# Altium PCB PCB.PcbDoc (part 1 of 2)
Units mm, origin at the board's own origin, x right, y up, seen from the top; angles counter-clockwise.
Board outline 126.4 x 80.11 mm, 6 copper layers (Top Layer, GND-1, Signal-1, Power Plane, GND-2, Bottom Layer), stack 1.38 mm thick; 110 components, 85 nets, 374 pads, 490 vias.
Unrouted connection lines stored in the file: 21.
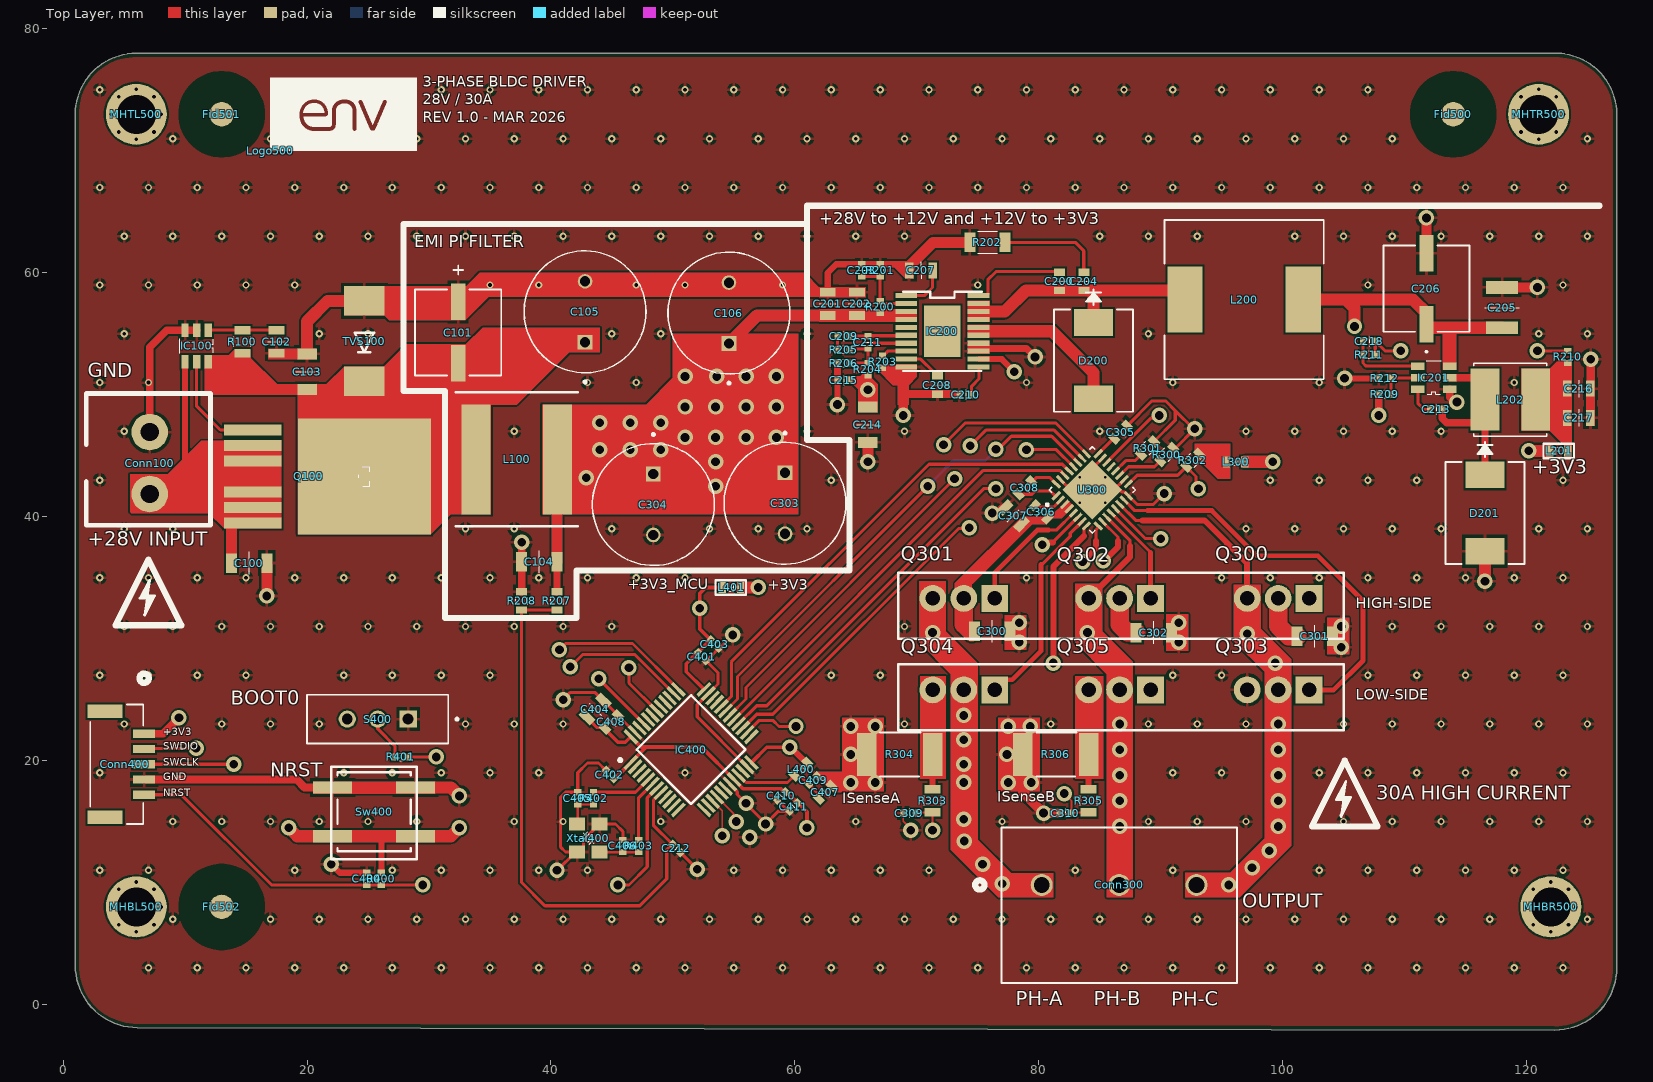
[diagram p0: Top Layer view]
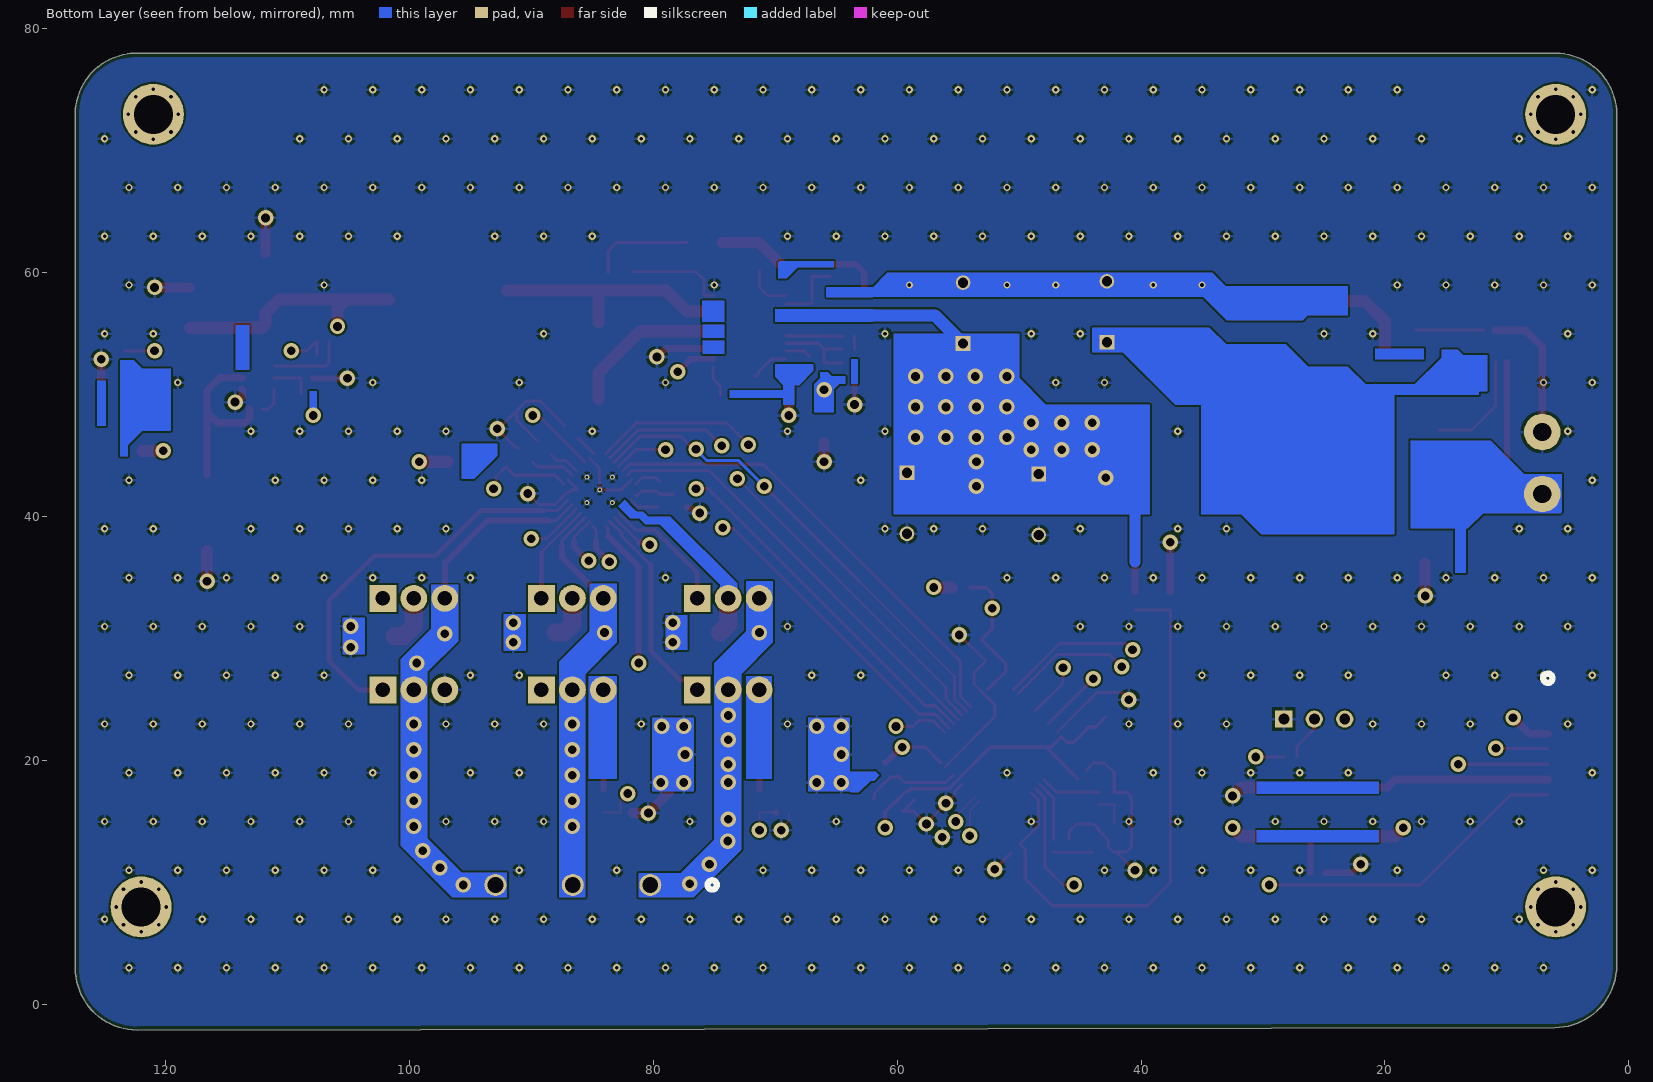
[diagram p1: Bottom Layer view, seen from below]
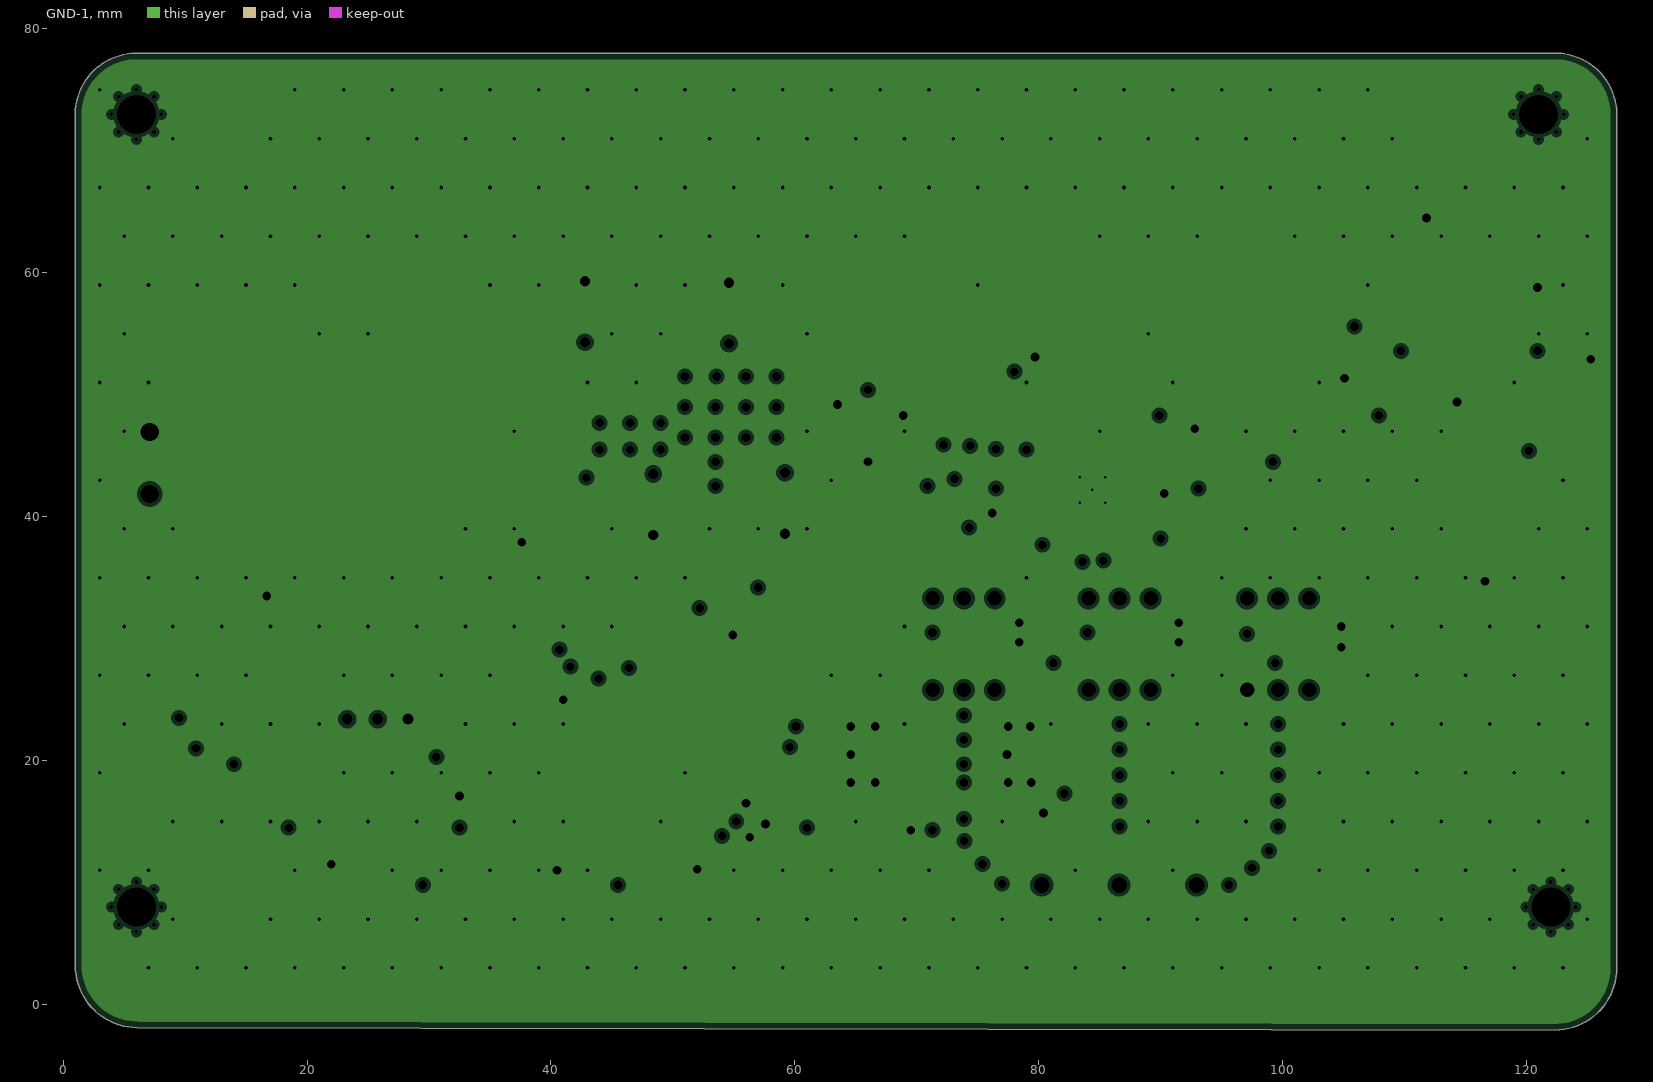
[diagram p2: GND-1, clearances drawn from the general rule]
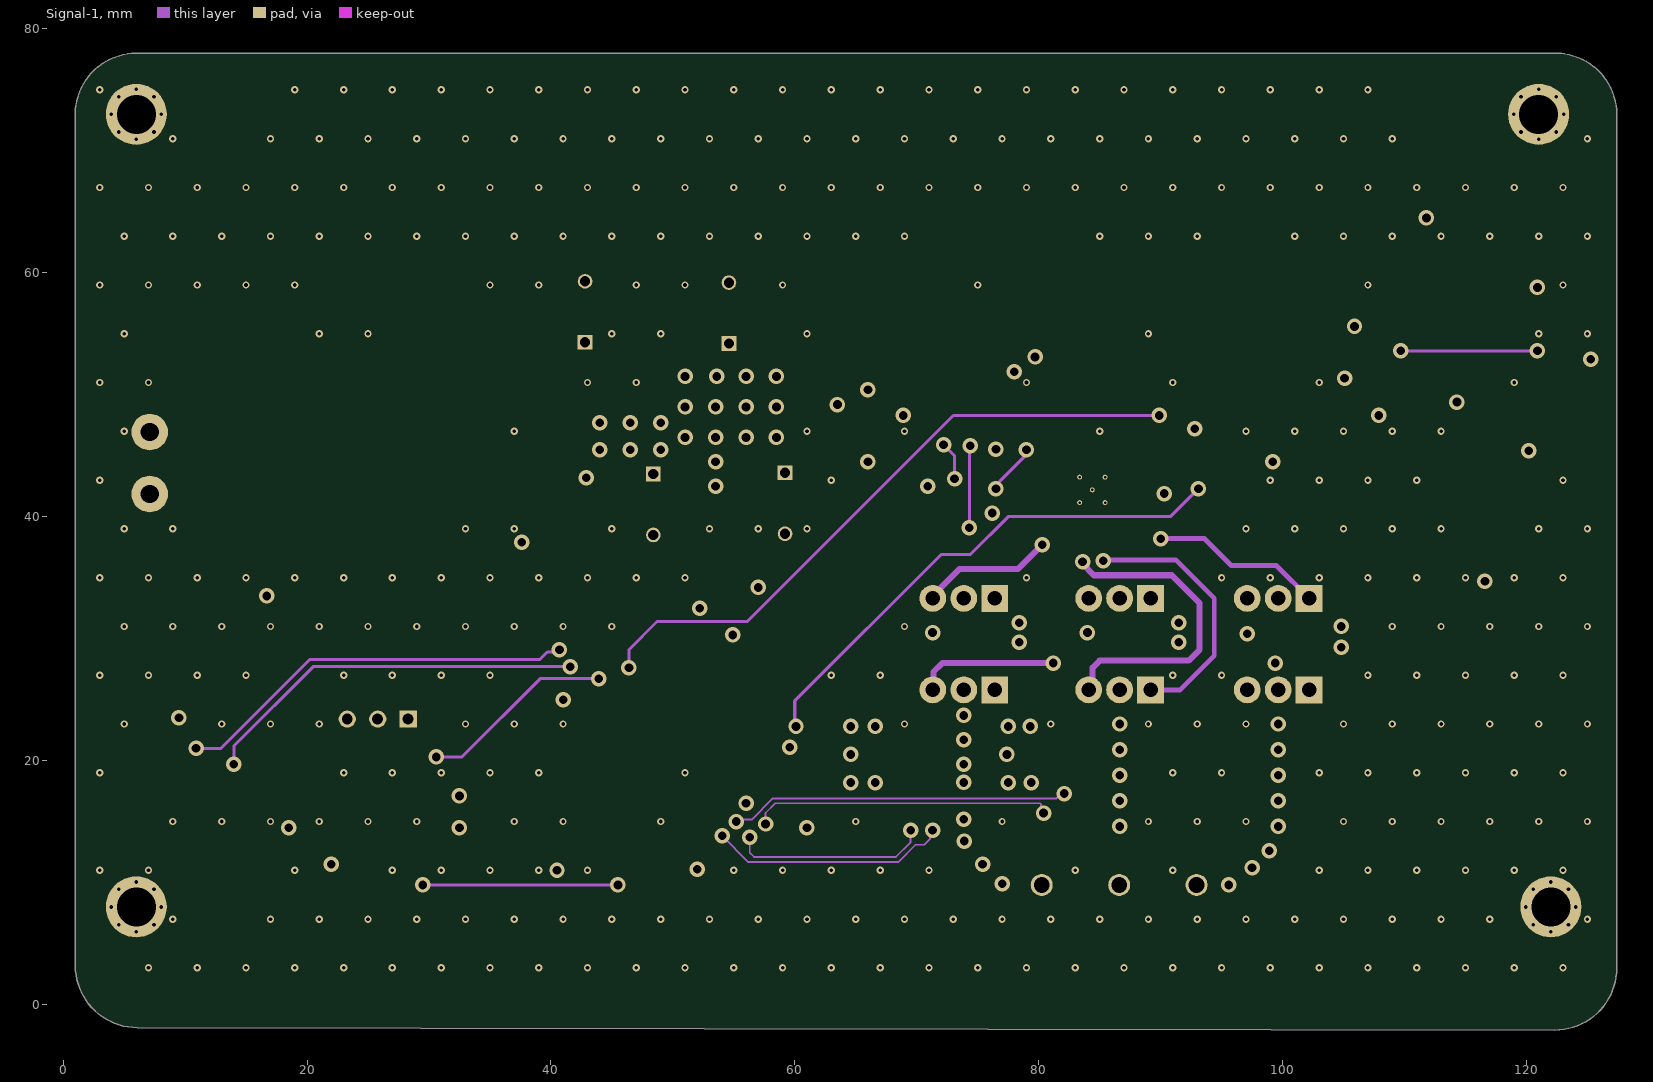
[diagram p3: Signal-1]
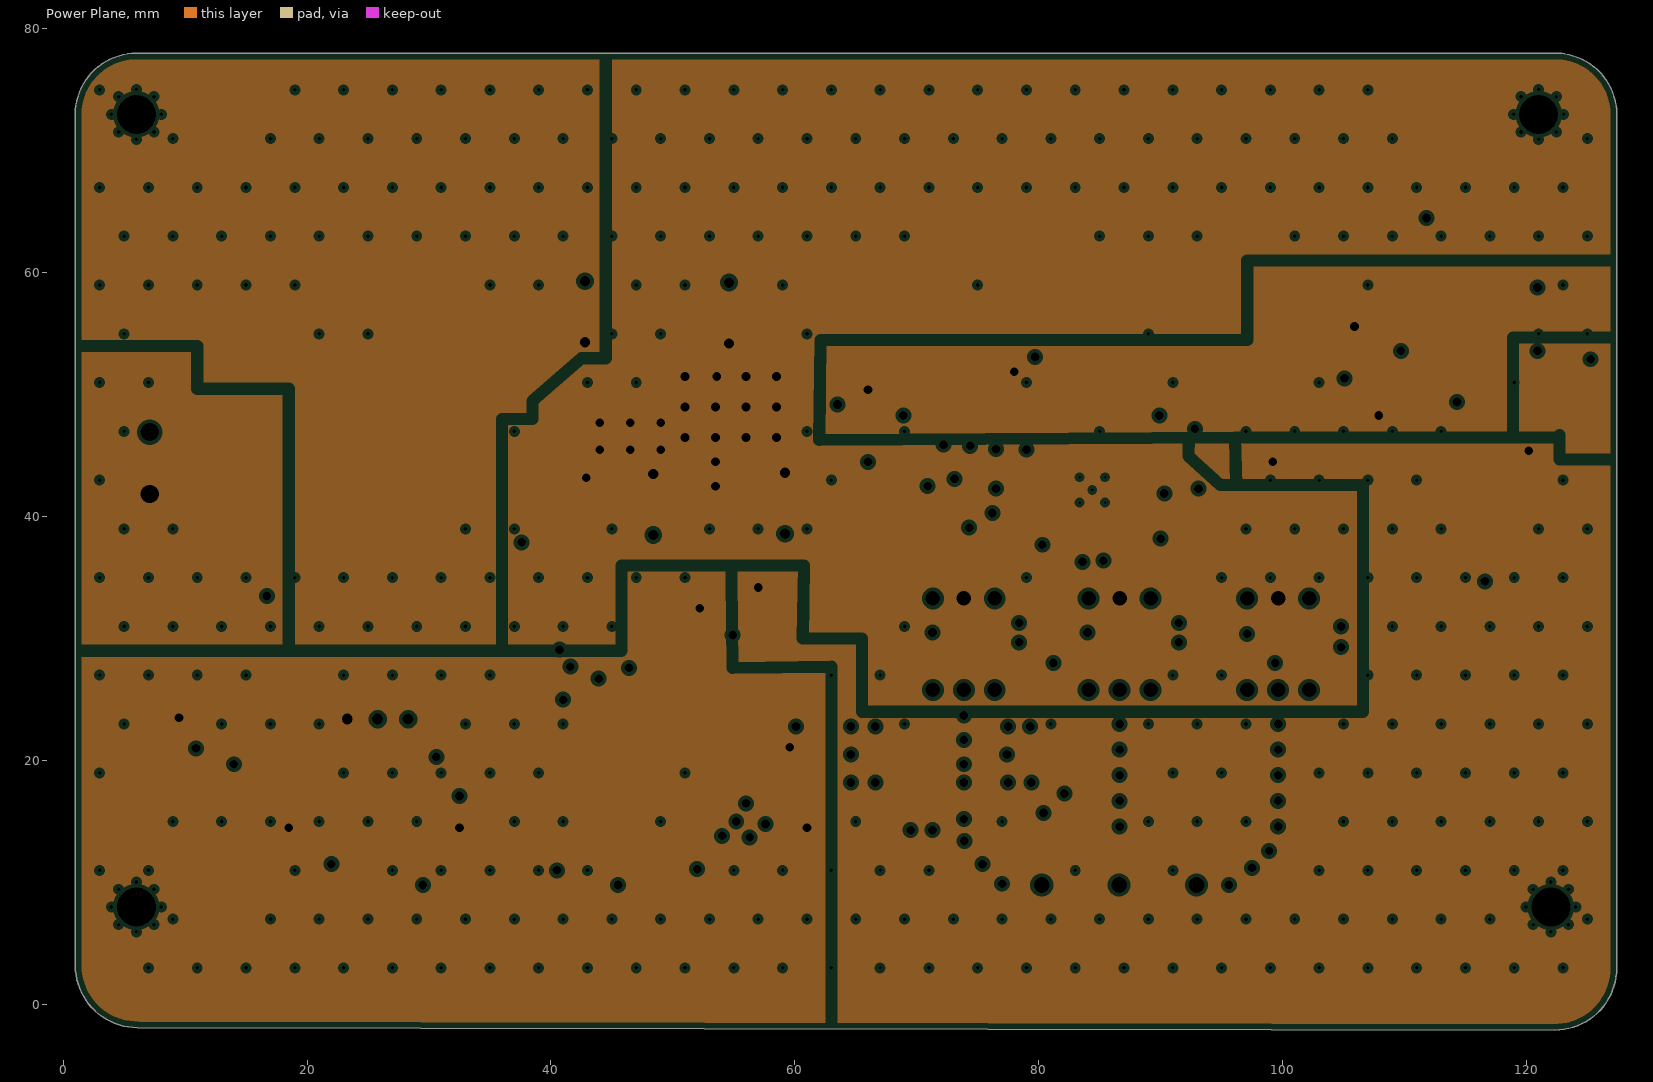
[diagram p4: Power Plane, clearances drawn from the general rule]
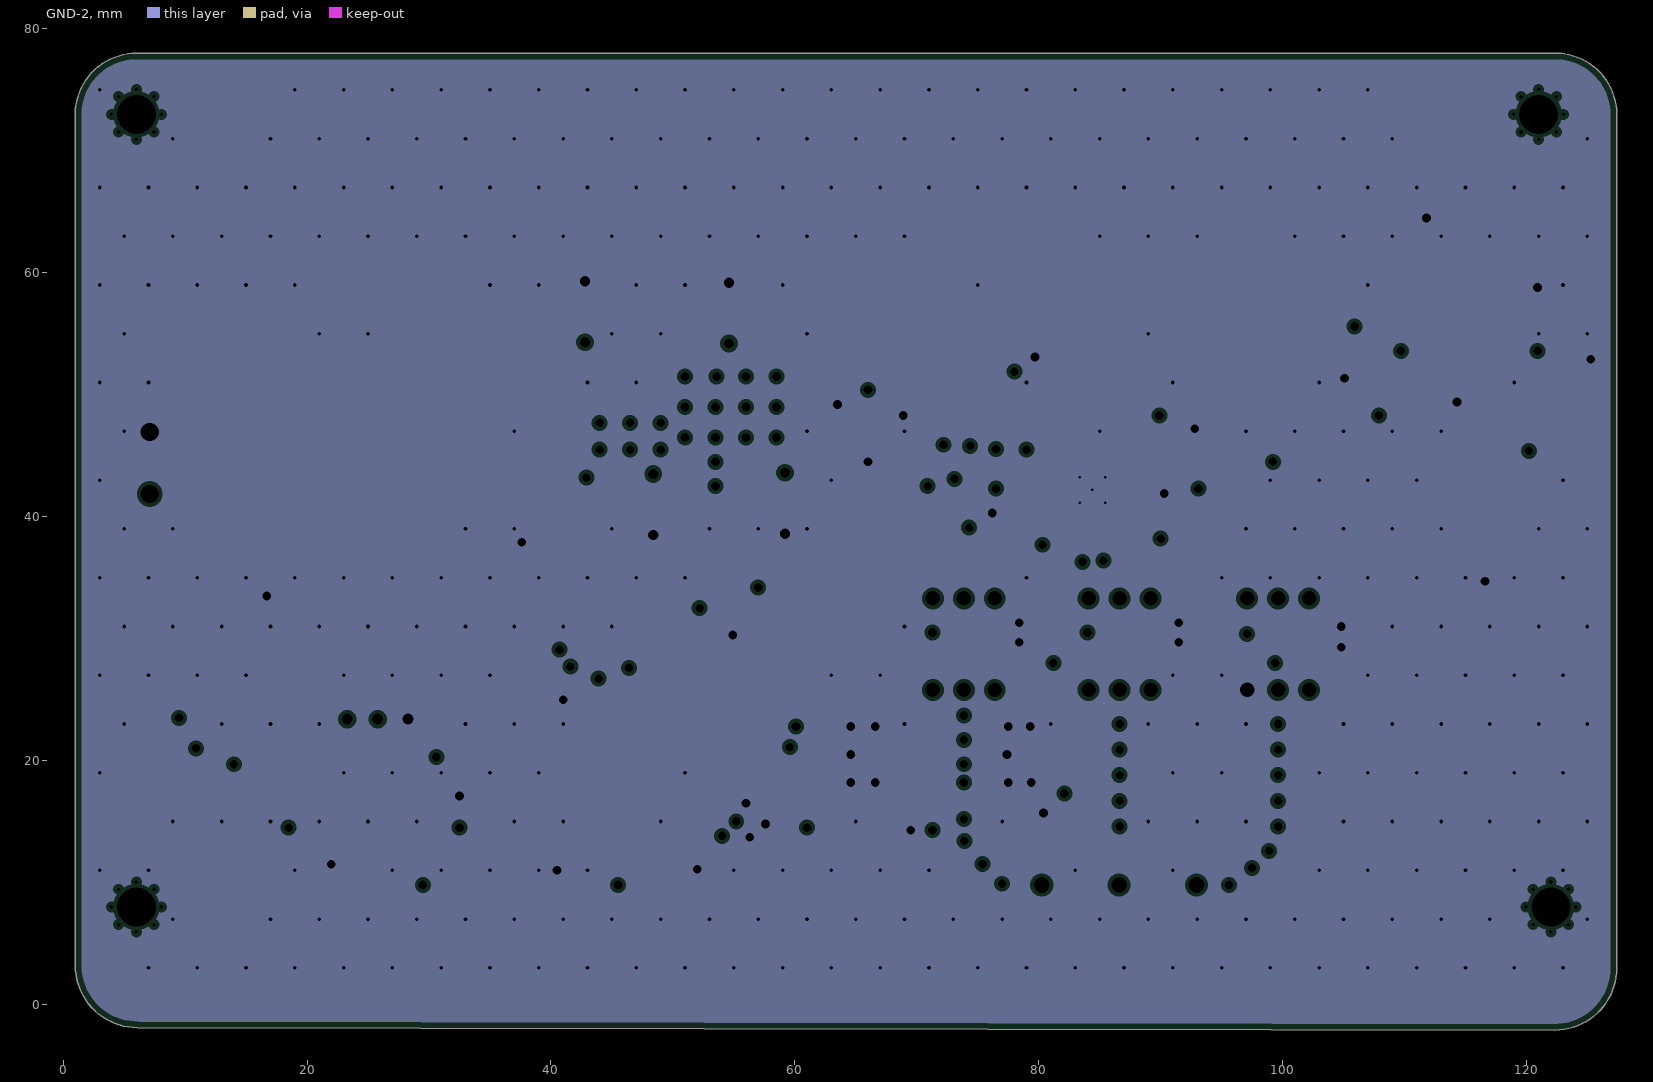
[diagram p5: GND-2, clearances drawn from the general rule]
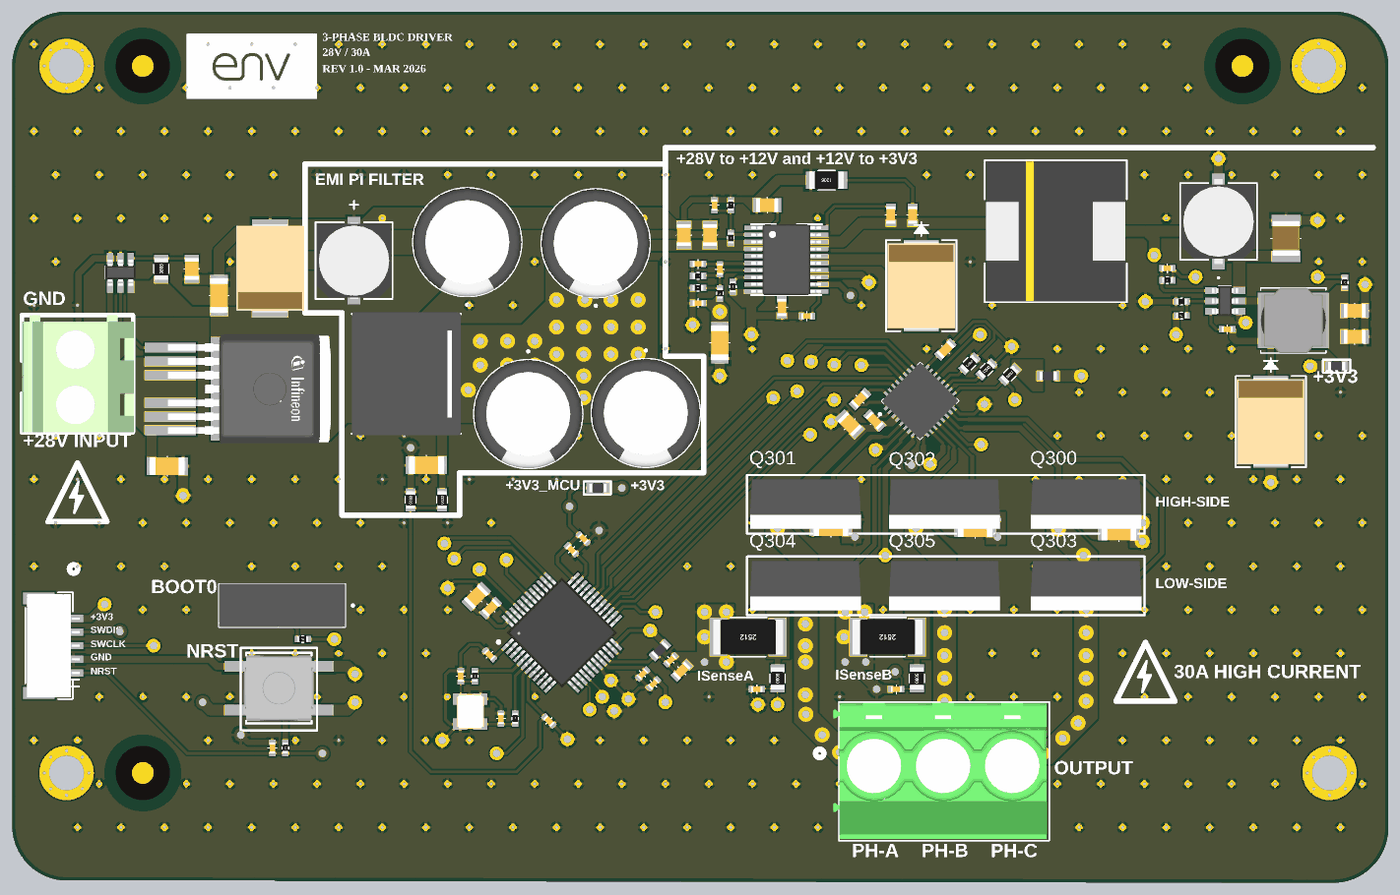
[diagram p7: 3D render of the assembled board from above, using the file's embedded part models]

## Layer stack, top to bottom
Top Solder: solder mask 0.01, Solder Resist, Dk 3.5
Top Layer: signal copper 0.07
Dielectric 2: prepreg 0.1, PP-006, Dk 4.1
GND-1: plane copper 0.035, net GND
Dielectric 4: core 0.3, PP-006, Dk 4.1
Signal-1: signal copper 0.035
Dielectric 1: dielectric 0.3, FR-4, Dk 4.8
Power Plane: plane copper 0.035, net (Multiple Nets)
Dielectric 5: core 0.3, PP-006, Dk 4.1
GND-2: plane copper 0.035, net GND
Dielectric 3: prepreg 0.1, PP-006, Dk 4.1
Bottom Layer: signal copper 0.07
Bottom Solder: solder mask 0.01, Solder Resist, Dk 3.5

## Board outline
1.001,3.187 1,73 cw(c6,73) 6,78 122.9,78 122.4,78 cw(c122.4,73) 127.4,73 127.4,2.969 cw(c122.334,2.969) 122.334,-2.096 122.334,-2.108 6.083,-1.896 cw(c6.083,3.187)

## Design rules (kind name [scope] priority, off if disabled: settings)
BoardOutlineClearance [All] p1: gap=0.3 ignorepadtopadclearanceinfootprint=FALSE
Clearance "High Voltage Clearance" [InNetClass('HV_PWR')] p1: gap=0.15 ignorepadtopadclearanceinfootprint=FALSE
Clearance [All] p2: gap=0.15 ignorepadtopadclearanceinfootprint=FALSE
HoleSize NonViaHoleSize [Not IsVia] p1: absolutevalues=TRUE maxlimit=5 minlimit=0 maxpercent=80.000 minpercent=20.000
HoleSize ViaHoleSize [IsVia] p2: absolutevalues=TRUE maxlimit=5 minlimit=0.3 maxpercent=80.000 minpercent=20.000
HoleToHoleClearance [All] p1: gap=0.2 allowstackedmicrovias=TRUE
MinimumAnnularRing [All] p1: minimumring=0.05
MinimumSolderMaskSliver [All] p1: minsoldermaskwidth=0
PlaneClearance [All] p1: clearance=0.3
PlaneConnect PlaneConnect_POWER [InNetClass('HV_PWR') OR InNetClass('LV_PWR')] p1: planeconnectstyle=Direct reliefexpansion=0.508 reliefentries=4 reliefconductorwidth=0.254 reliefairgap=0.254
PlaneConnect [All] p2: planeconnectstyle=Relief reliefexpansion=0.508 reliefentries=4 reliefconductorwidth=0.254 reliefairgap=0.254
PolygonConnect PolygonConnect_POWER [InNetClass('HV_PWR') OR InNetClass('LV_PWR')] p1: connectstyle=Direct reliefconductorwidth=0.254 reliefentries=4 polygonreliefangle="90 Angle" airgapwidth=0.254
PolygonConnect [All] p2: connectstyle=Relief reliefconductorwidth=0.254 reliefentries=4 polygonreliefangle="90 Angle" airgapwidth=0.254
RoutingVias Via_POWER [InNetClass('HV_PWR') OR InNetClass('LV_PWR')] p1: holewidth=0.4 width=0.8 viastyle="Through Hole" minholewidth=0.3 minwidth=0.6 maxholewidth=0.8 maxwidth=1.5
RoutingVias [All] p2: holewidth=0.3 width=0.6 viastyle="Through Hole" minholewidth=0.2 minwidth=0.5 maxholewidth=0.6 maxwidth=1
SilkToSilkClearance [All] p1: silktosilkclearance=0.05
SilkToSolderMaskClearance [IsPad] p1: minsilkscreentomaskgap=0 clearancetoexposedcopper=TRUE
SolderMaskExpansion [All] p1: expansion=0.05 istentingtop=FALSE
SupplyNets "Schematic Supply Nets_10" [InNet('VBUS')] p1: voltage=0.000
SupplyNets "Schematic Supply Nets_9" [InNet('+3V3')] p2: voltage=0.000
SupplyNets "Schematic Supply Nets_8" [InNet('+3V3_INV_IN')] p3: voltage=0.000
SupplyNets "Schematic Supply Nets_7" [InNet('VIN_+28V')] p4: voltage=0.000
SupplyNets "Schematic Supply Nets_5" [InNet('V_SYS_+28V')] p5: voltage=0.000
SupplyNets "Schematic Supply Nets_4" [InNet('+12V')] p6: voltage=0.000
SupplyNets "Schematic Supply Nets_3" [InNet('+3V3_MCU_IN')] p7: voltage=0.000
SupplyNets "Schematic Supply Nets_2" [InNet('+28V_FILT')] p8: voltage=0.000
SupplyNets "Schematic Supply Nets_1" [InNet('+3V3_DIST_OUT')] p9: voltage=0.000
SupplyNets "Schematic Supply Nets" [InNet('GND')] p10: voltage=0.000
Width Width_HV_PWR [InNetClass('HV_PWR')] p1: maxlimit=20 minlimit=0.15 preferedwidth=1
Width Width_LV_PWR [InNetClass('LV_PWR')] p2: maxlimit=2 minlimit=0.15 preferedwidth=0.5
Width Width_GATE [InNetClass('GATE_DRIVE')] p3: maxlimit=1 minlimit=0.15 preferedwidth=0.5
Width Width_SENSITIVE [InNetClass('SENSITIVE_ANALOG')] p4: maxlimit=0.5 minlimit=0.15 preferedwidth=0.2
Width [All] p5: maxlimit=20 minlimit=0.1 preferedwidth=0.254
23 further rules are at their usual default settings.

## Classes and differential pairs
component class Mechanical: Fid500 Fid501 Fid502 Logo500 MHBL500 MHBR500 MHTL500 MHTR500
net class LV_PWR: +3V3 +3V3_DIST_OUT +3V3_INV_IN +3V3_MCU_IN +12V
net class SENSITIVE_ANALOG: PA7 PB0 VBUS
net class GATE_DRIVE: GHA GHB GHC GLA GLB GLC
net class HV_PWR: +28V_FILT CurrentA CurrentB OUT_A OUT_B OUT_C V_SYS_+28V VIN_+28V
component class Power_Protection: C100 C101 C102 C103 C104 C105 C106 Conn100 IC100 L100 Q100 R100 TVS100
component class Power_Distribution: C200 C201 C202 C203 C204 C205 C206 C207 C208 C209 C210 C211 C212 C213 C214 C215 C216 C217 C218 D200 D201 IC200 IC201 L200 L201 L202 R200 R201 R202 R203 R204 R205 R206 R207 R208 R209 R210 R211 R212
component class MCU_Control: C400 C401 C402 C403 C404 C405 C406 C407 C408 C409 C410 C411 Conn400 IC400 L400 L401 R400 R401 R402 R403 S400 Sw400 Xtal400
component class Inverter_Power_Stage: C300 C301 C302 C303 C304 C305 C306 C307 C308 C309 C310 Conn300 L300 Q300 Q301 Q302 Q303 Q304 Q305 R300 R301 R302 R303 R304 R305 R306 U300
